# Altium PCB MB1605.PcbDoc (part 4 of 11) (continued)
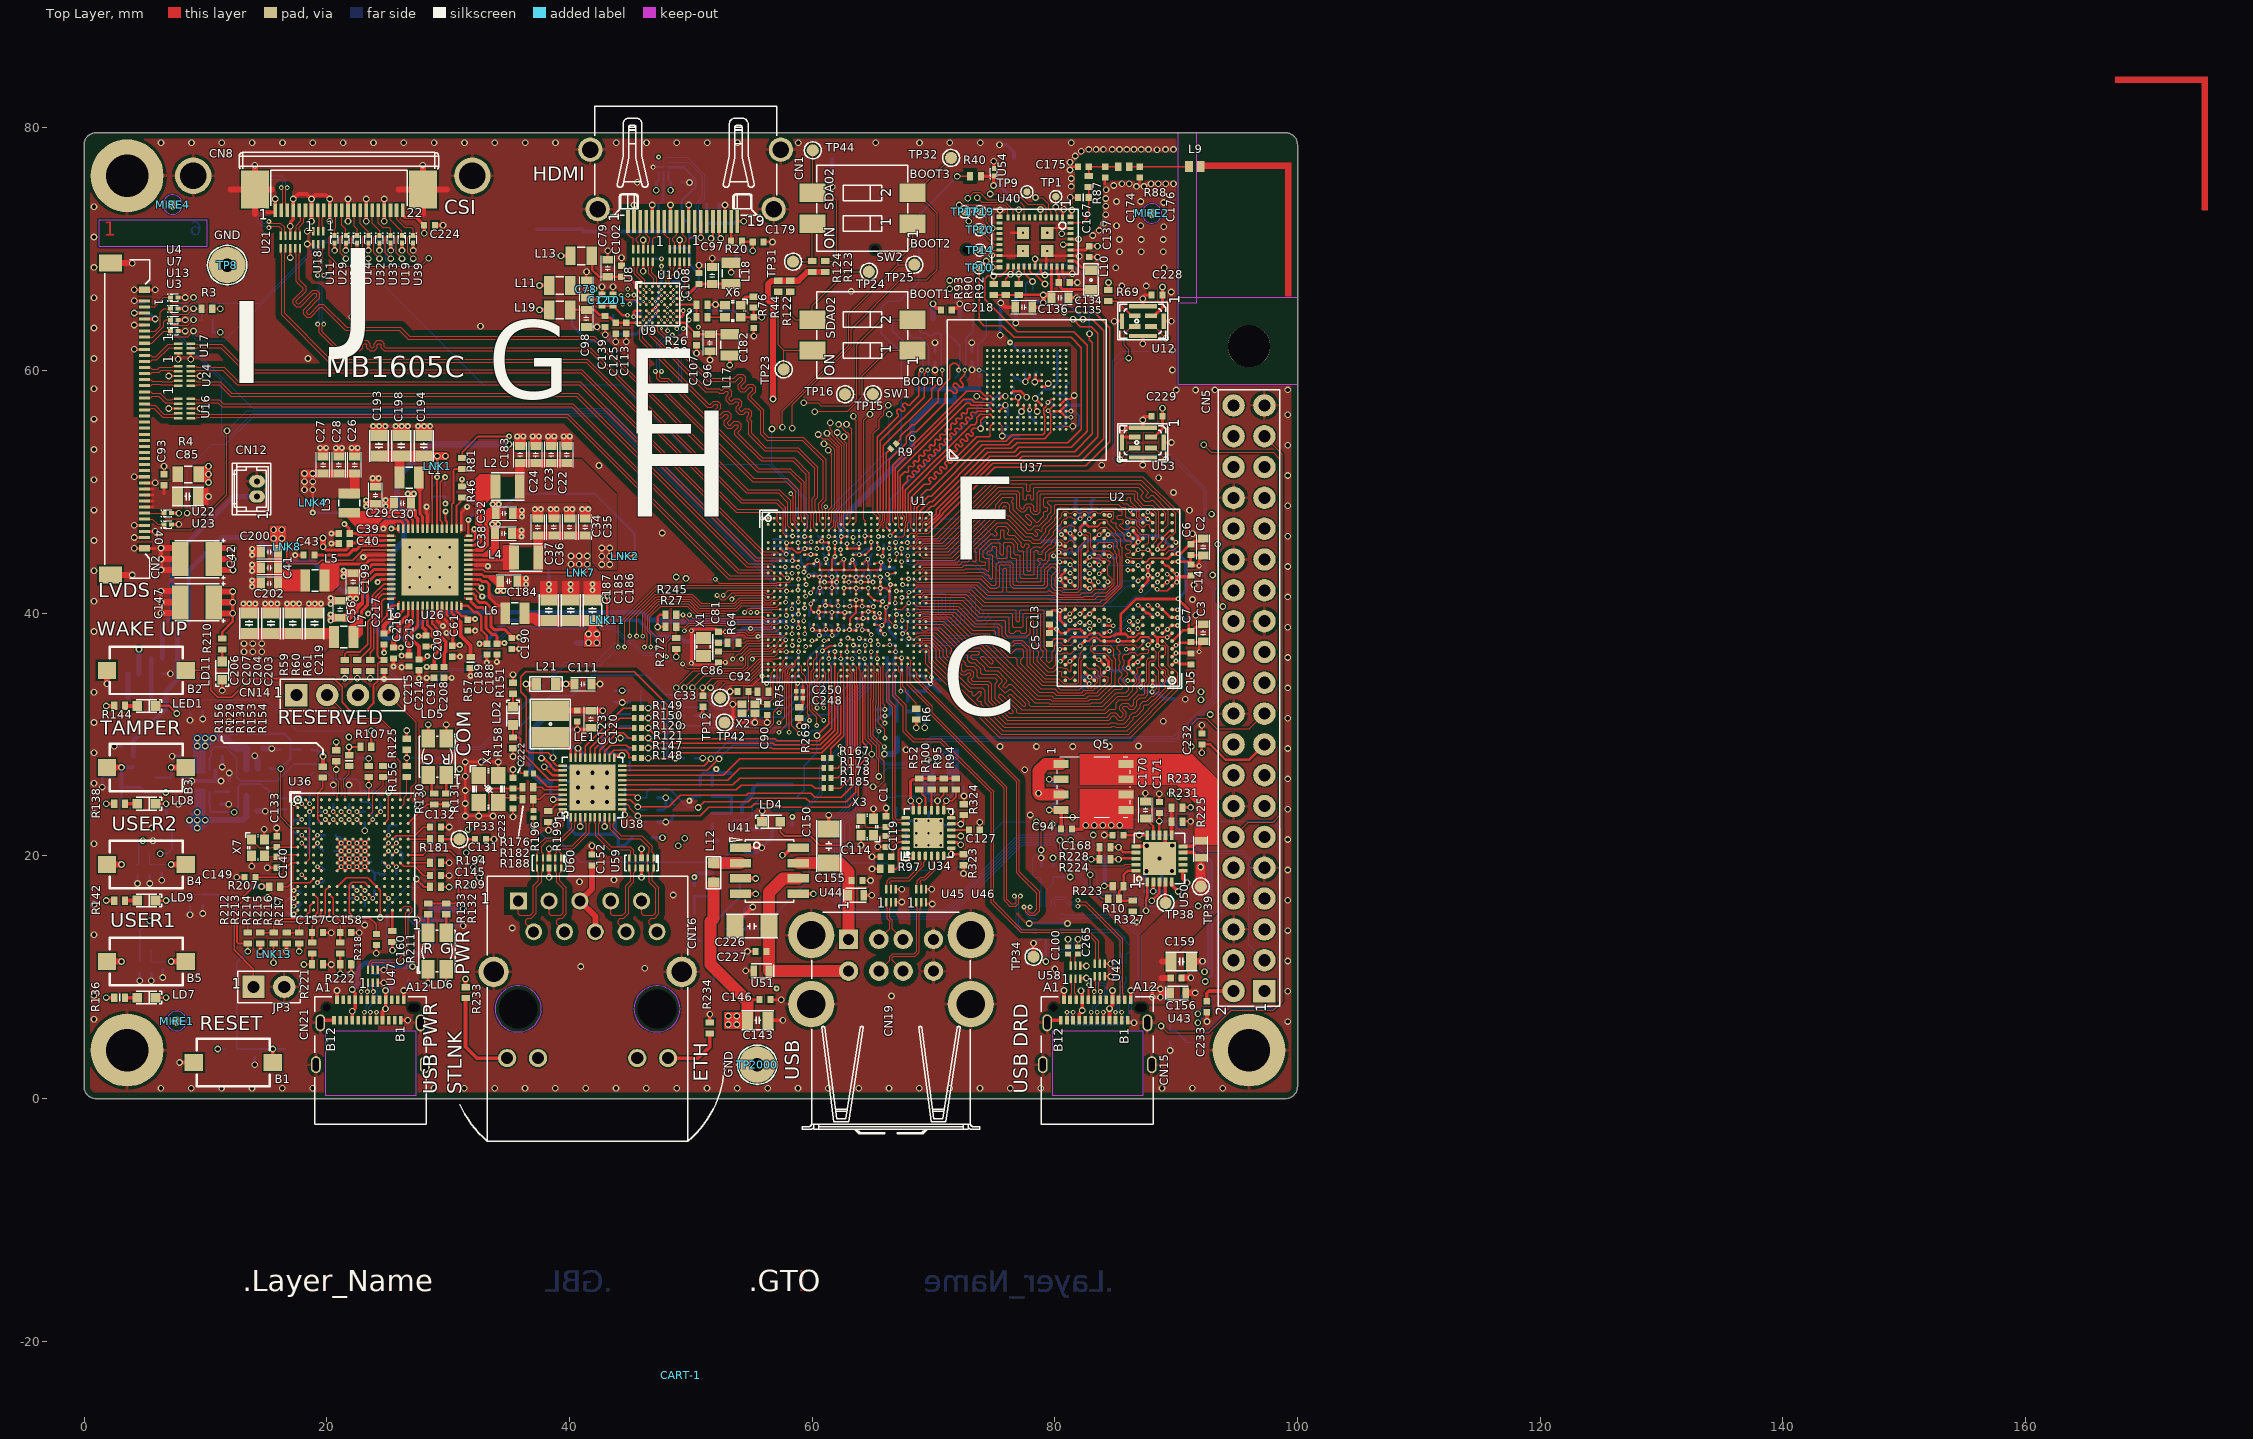
[diagram p0: Top Layer view]
## Nets (pads, with @x,y where several pads share a name; then routed paths per layer and width w, separated by ;. In a path a pad name is that pad's centre, name@x,y a point inside that pad or via, vN(x,y) a via of type N, cw(c..) or ccw(c..) an arc to the next point about the centre after c; other vN are vias at no path point) (continued)
  Signal Layer 2 w0.1: v1(23.43,69.226) 24.439,68.216 37.985,68.216 39.477,66.724 39.477,64.344 47.807,56.015 56.149,56.015 56.333,55.831 58.485,55.831 60.366,53.95 60.95,53.95 v1(60.975,53.975)
CAM.RST: CN8.17 U1.C12 U32.1 | length 60.5
  Top Layer w0.09: U1.C12@61.88,46.83 61.895,46.845 61.895,47.09 61.945,47.14 61.945,47.532 62.065,47.652 62.065,48.407 62.233,48.575
  Top Layer w0.1: CN8.17@23.75,73.222 23.75,72.135 24.35,71.535 U32.1@24.35,71.126 24.034,71.126 23.892,70.984 23.892,69.688 v1(24.355,69.226) ; v1(61.225,54.825) 61.225,54.759 62.25,53.734 62.25,48.594 62.233,48.577 62.233,48.575
  Signal Layer 2 w0.1: v1(24.355,69.226) 24.826,69.697 24.826,70.021 24.85,70.045 24.85,70.079 25.099,70.328 25.521,70.328 25.705,70.144 25.705,69.083 26.172,68.616 27.422,68.616 27.775,68.969 27.775,69.334 28.198,69.757 28.568,69.757 29.507,68.818 38.232,68.818 40.077,66.973 40.077,64.593 47.99,56.68 56.334,56.68 56.583,56.431 59.563,56.431 61.169,54.825 v1(61.225,54.825)
CAM.TOF_INT: CN8.12 U1.D8 U29.1 | length 57.7
  Top Layer w0.09: v3(59.375,46.325) U1.D8@59.875,46.325
  Top Layer w0.1: CN8.12@21.25,73.222 21.25,71.983 21.575,71.658 U29.1@21.575,71.126 21.259,71.126 21.117,70.984 21.117,69.688 v1(21.58,69.226)
  Signal Layer 2 w0.1: v1(21.58,69.226) 22.789,68.016 37.902,68.016 39.277,66.641 39.277,64.262 47.724,55.815 56.066,55.815 v1(56.69,55.191)
  Bottom Layer w0.1: v1(56.69,55.191) 56.69,52.273 59.575,49.388 59.575,48.575 59.575,46.75 59.41,46.585 59.41,46.36 v3(59.375,46.325)
CAM.TOF_LPn: CN8.11 U1.C11 U11.1 | length 61.6
  Top Layer w0.09: U1.C11@61.375,46.825 61.765,47.215 61.765,47.607 61.826,47.668 61.826,48.429 61.972,48.575
  Top Layer w0.1: CN8.11@20.75,73.222 20.75,71.758 20.65,71.658 U11.1@20.65,71.126 20.334,71.126 20.192,70.984 20.192,69.458 21.038,68.612 27.762,68.612 v1(28.4,69.25) ; v1(60.5,54.725) 60.825,54.4 61.301,54.4 62.05,53.651 62.05,48.677 62.045,48.672 62.045,48.648 61.972,48.575
  Signal Layer 2 w0.1: v1(28.4,69.25) 29.032,68.618 38.149,68.618 39.877,66.89 39.877,64.51 47.972,56.415 56.315,56.415 56.499,56.231 58.994,56.231 v1(60.5,54.725)
CEC: CN1.13 R63.1 U20.A2 | length 10.5
  Top Layer w0.25: v1(50.826,70.95) CN1.13@50.826,72.3
  Bottom Layer w0.2: U20.A2@48.164,76.769 49.388,76.769 50.389,75.768 50.389,75.113 49.239,73.964 49.239,72.686 49.889,72.036 R63.1@49.889,70.95 v1(50.826,70.95)
CEC_CLK: R26.2 R30.1 U9.D7 | length 2.7
  Top Layer w0.15: U9.D7@48.836,65.435 R26.2@50.476,65.435 R30.1@50.476,64.395
CSI.CK_N: U1.D4 U18.5 | length 56.6
  Top Layer w0.09: v2(19.25,63.824) 19.375,63.699 19.375,63.106 20.854,61.627 21.315,61.627 21.537,61.627 21.787,61.877 21.787,62.126 21.89,62.229 22.027,62.229 22.131,62.126 22.131,61.867 22.38,61.617 22.725,61.617 22.975,61.867 22.975,62.126 23.078,62.229 23.215,62.229 23.319,62.126 23.319,61.867 23.568,61.617 23.913,61.617 24.163,61.867 24.163,62.126 24.266,62.229 24.403,62.229 24.507,62.126 24.507,61.877 24.756,61.627 25.695,61.627 41.622,61.627 54.147,49.101 57.05,49.101 57.625,48.526 57.625,46.575 U1.D4@57.875,46.325 ; v2(19.25,67.841) 19.375,67.966 19.375,69.955 19.3,70.03 U18.5@19.3,70.425
  Bottom Layer w0.09: v2(19.25,63.824) 19.375,63.949 19.375,67.716 v2(19.25,67.841)
CSI.CK_P: U1.C4 U18.6 | length 55.9
  Top Layer w0.09: U18.6@19.7,70.425 19.7,70.03 19.625,69.955 19.625,67.966 v2(19.75,67.841) ; v2(19.75,63.824) 19.625,63.699 19.625,63.21 20.958,61.877 21.315,61.877 21.433,61.877 21.537,61.98 21.537,62.23 21.786,62.479 22.131,62.479 22.381,62.23 22.381,61.97 22.484,61.867 22.621,61.867 22.725,61.97 22.725,62.23 22.974,62.479 23.319,62.479 23.569,62.23 23.569,61.97 23.672,61.867 23.809,61.867 23.913,61.97 23.913,62.23 24.162,62.479 24.507,62.479 24.757,62.23 24.757,61.98 24.86,61.877 25.695,61.877 41.725,61.877 54.251,49.351 57.153,49.351 57.815,48.69 57.815,47.025 57.859,46.879 U1.C4@57.875,46.825
  Bottom Layer w0.09: v2(19.75,63.824) 19.625,63.949 19.625,67.716 v2(19.75,67.841)
CSI.CKcon_N: CN8.8 U18.2 | length 1.8
  Top Layer w0.09: CN8.8@19.25,73.222 19.25,72.677 19.375,72.552 19.375,71.945 19.3,71.87 U18.2@19.3,71.475
CSI.CKcon_P: CN8.9 U18.1 | length 1.8
  Top Layer w0.09: U18.1@19.7,71.475 19.7,71.87 19.625,71.945 19.625,72.552 19.75,72.677 CN8.9@19.75,73.222
CSI.D0_N: U1.A3 U21.7 | length 53.5
  Top Layer w0.09: U21.7@16.6,70.075 16.6,69.68 16.525,69.605 16.525,68.675 16.525,67.675 16.525,64.704 20.282,60.947 41.476,60.947 53.848,48.575 57.045,48.575 57.355,48.265 57.355,48.052 57.375,48.032 U1.A3@57.375,47.825
CSI.D0_P: U1.B3 U21.6 | length 54.1
  Top Layer w0.09: U21.6@16.2,70.075 16.2,69.68 16.275,69.605 16.275,64.6 20.178,60.697 41.372,60.697 53.744,48.325 56.941,48.325 57.105,48.161 57.105,47.949 57.125,47.929 57.125,47.575 57.373,47.327 U1.B3@57.375,47.327
CSI.D0con_N: CN8.2 U21.4 | length 10.5
  Top Layer w0.09: v3(15.23,72.283) 15.23,72.226 15.298,72.158 16.166,72.158 16.525,71.799 16.525,71.483 16.545,71.463 16.545,71.18 U21.4@16.6,71.125 ; CN8.2@16.25,73.222 16.355,73.327 16.355,73.76 16.375,73.78 16.375,74.922 16.25,75.047 v3(16.25,75.075)
  Bottom Layer w0.09: v3(15.23,72.283) 15.147,72.283 15.022,72.158 14.754,72.158 14.612,72.299 14.612,75.212 15.184,75.784 16.141,75.784 16.375,75.55 16.375,75.357 16.375,75.283 16.25,75.158 v3(16.25,75.075)
CSI.D0con_P: CN8.3 U21.5 | length 11.3
  Top Layer w0.09: v3(15.23,71.783) 15.23,71.84 15.298,71.908 16.062,71.908 16.275,71.695 16.275,71.483 16.255,71.463 16.255,71.18 U21.5@16.2,71.125 ; CN8.3@16.75,73.222 16.645,73.327 16.645,73.76 16.625,73.78 16.625,74.922 16.75,75.047 v3(16.75,75.075)
  Bottom Layer w0.09: v3(15.23,71.783) 15.147,71.783 15.022,71.908 14.65,71.908 14.362,72.196 14.362,75.316 15.08,76.034 16.245,76.034 16.625,75.654 16.625,75.461 16.625,75.283 16.75,75.158 v3(16.75,75.075)
CSI.D1_N: U1.C5 U21.9 | length 59.2
  Top Layer w0.09: U21.9@17.4,70.075 17.4,69.68 17.475,69.605 17.475,67.36 17.663,67.173 17.746,67.089 18.047,66.788 18.047,66.642 17.25,65.846 17.25,65.493 17.494,65.249 17.847,65.249 18.949,66.351 19.095,66.351 19.192,66.253 19.192,66.107 18.09,65.006 18.09,64.653 18.334,64.409 18.687,64.409 19.484,65.206 19.63,65.206 19.64,65.195 19.713,65.122 21.53,63.305 25.993,63.305 26.731,62.567 41.962,62.567 54.586,49.943 57.188,49.943 58.005,49.126 58.005,47.232 58.375,46.862 U1.C5@58.375,46.825
CSI.D1_P: U1.B5 U21.10 | length 58.6
  Top Layer w0.09: U21.10@17.8,70.075 17.8,69.68 17.725,69.605 17.725,67.464 17.839,67.35 17.923,67.266 18.297,66.892 18.297,66.539 17.5,65.742 17.5,65.596 17.598,65.499 17.744,65.499 18.845,66.601 19.198,66.601 19.442,66.357 19.442,66.004 18.34,64.902 18.34,64.756 18.438,64.659 18.584,64.659 19.38,65.456 19.733,65.456 19.807,65.382 19.89,65.299 21.634,63.555 26.097,63.555 26.835,62.817 42.065,62.817 54.689,50.193 57.291,50.193 58.225,49.259 58.225,47.478 58.375,47.328 U1.B5@58.375,47.325
CSI.D1con_N: CN8.5 U21.2 | length 2.3
  Top Layer w0.09: U21.2@17.4,71.125 17.4,71.52 17.475,71.595 17.475,71.929 17.875,72.329 17.875,72.552 17.75,72.677 CN8.5@17.75,73.222
CSI.D1con_P: CN8.6 U21.1 | length 2.3
  Top Layer w0.09: U21.1@17.8,71.125 17.8,71.52 17.725,71.595 17.725,71.825 18.125,72.225 18.125,72.552 18.25,72.677 CN8.6@18.25,73.222
CTP.INT: CN2.2 U1.J3 U4.1 | length 68
  Top Layer w0.1: CN2.2@5,65.25 5.81,65.25 6.585,66.025 U4.1@7.117,66.025 7.117,65.709 7.259,65.567 8.554,65.567 v1(9.017,66.03) v1@9.022,66.025 ; U1.J3@57.375,43.825 57.77,43.825 v3(57.782,43.813)
  Bottom Layer w0.1: v1(9.017,66.03) 9.487,65.559 9.487,64.9 9.225,64.638 7.916,64.638 7.712,64.434 7.712,63.065 13.885,56.893 43.153,56.893 55.625,44.421 56.233,43.813 v3(57.782,43.813)
CTP.RST: CN2.6 R3.2 U1.L7 U7.1 | length 75.7
  Top Layer w0.1: CN2.6@5,63.25 5.887,63.25 6.29,63.653 6.29,64.805 6.585,65.1 U7.1@7.117,65.1 7.117,64.784 7.259,64.642 8.554,64.642 v1(9.017,65.105) 9.022,65.1 R3.2@9.674,65.1 ; U1.L7@59.375,42.825 v3(59.505,42.369)
  Bottom Layer w0.1: v1(9.017,65.105) 8.572,65.55 8.113,65.55 7.5,64.937 7.5,62.995 11.35,59.145 11.35,54.8 11.575,54.575 12,54.575 13.918,56.493 42.987,56.493 55.528,43.952 55.551,43.952 55.625,43.878 57.134,42.369 v3(59.505,42.369)
DDC_SCL: CN1.15 R22.1 U9.D1 U20.A3 | length 27.1
  Top Layer w0.13: v2(44.259,66.212) 44.3,66.212 44.665,65.846 45.425,65.846 U9.D1@45.836,65.435
  Top Layer w0.15: v1(51.676,70.888) 51.676,70.996 51.826,71.146 CN1.15@51.826,72.3
  Signal Layer 2 w0.13: v2(44.259,66.212) 44.211,66.259 44.211,66.958 44.782,67.53 50.661,67.53 52.208,69.077 52.208,70.355 v1(51.676,70.888)
  Bottom Layer w0.1: U20.A3@48.164,77.169 49.816,77.169 50.953,76.032 50.953,74.233 50.453,73.733 50.453,71.74 50.817,71.375 51.185,71.375 v1@51.672,70.888 ; v1(51.676,70.888) 52.262,70.301 52.262,69.112 52.453,68.92 R22.1@52.876,68.92
DDC_SDA: CN1.16 R21.1 U9.D2 U20.B3 | length 27.1
  Top Layer w0.13: v5(46.086,65.685) U9.D2@46.336,65.435
  Top Layer w0.15: CN1.16@52.326,72.3 52.326,71.146 52.476,70.996 v1(52.476,70.888)
  Signal Layer 1 w0.13: v2(44.816,66.211) 44.816,66.206 45.169,65.853 45.918,65.853 v5(46.086,65.685)
  Signal Layer 2 w0.13: v2(44.816,66.211) 44.79,66.211 44.44,66.561 44.44,66.863 44.877,67.3 50.756,67.3 52.476,69.02 v1(52.476,70.888)
  Bottom Layer w0.1: U20.B3@47.764,77.169 47.764,77.375 47.965,77.576 49.692,77.576 51.153,76.115 51.153,74.15 50.653,73.65 50.653,71.822 50.9,71.575 51.788,71.575 v1(52.476,70.888) 52.876,70.488 R21.1@52.876,69.903
DDR_CA0_A: U1.V24 U2.H2 | length 24.7
  Top Layer w0.09: v3(67.46,38.325) 67.46,38.327 67.875,38.742 U1.V24@67.875,39.325 ; v2(88.46,38.69) 88.497,38.69 88.814,39.007 U2.H2@88.873,39.007
  Bottom Layer w0.09: v3@67.462,38.323 67.462,37.94 67.982,37.42 68.648,37.42 69.677,36.39 83.17,36.39 83.325,36.545 84.879,36.545 85.006,36.672 86.446,36.672 v2@88.46,38.686
DDR_CA0_B: U1.M24 U2.R2 | length 23.5
  Top Layer w0.09: v3(67.46,42.365) 67.5,42.325 U1.M24@67.875,42.325 ; v2@88.472,43.19 88.826,43.544 U2.R2@88.859,43.544
  Bottom Layer w0.09: v3(67.46,42.365) 73.699,42.365 74.313,41.751 79.357,41.751 79.79,41.319 80.495,41.319 80.653,41.16 81.745,41.16 82.03,40.875 84.58,40.875 85.972,42.267 87.537,42.267 v2(88.46,43.19)
DDR_CA1_A: U1.P22 U2.J2 | length 26
  Top Layer w0.09: v3(66.85,40.85) 66.85,41.3 U1.P22@66.875,41.325 ; v2(88.46,39.94) 88.518,39.881 88.689,39.881 88.86,39.71 U2.J2@88.86,39.665
  Bottom Layer w0.09: v3@66.85,40.875 v3(66.85,40.85) 66.85,40.485 66.62,40.255 66.62,39.727 67.337,39.01 67.739,39.01 67.953,38.796 69.42,38.796 70.556,37.66 83.929,37.66 84.37,38.101 84.617,38.101 85.571,39.055 85.571,39.254 86.262,39.945 v2@88.459,39.945
DDR_CA1_B: U1.N23 U2.P2 | length 24
  Top Layer w0.09: v3(66.95,41.825) U1.N23@67.375,41.825 ; v2(88.46,42.565) 88.483,42.565 88.833,42.915 U2.P2@88.86,42.915
  Bottom Layer w0.09: v3(66.95,41.825) 67.536,41.825 67.786,42.075 73.408,42.075 74.152,41.331 79.366,41.331 79.668,41.029 80.373,41.029 80.532,40.87 81.623,40.87 81.908,40.585 85.825,40.585 86.67,41.43 87.314,41.43 88.449,42.565 v2(88.46,42.565)
DDR_CA2_A: U1.V22 U2.H9 | length 20.3
  Top Layer w0.09: U1.V22@66.875,39.325 66.902,39.352 66.902,39.777 v3@66.95,39.825 ; v2@82.859,38.719 82.913,38.774 83.019,38.774 U2.H9@83.26,39.015
  Bottom Layer w0.09: v3(66.965,39.9) 67.357,40.292 68.229,40.292 68.646,39.874 70.103,39.874 70.925,39.051 72.052,39.051 72.238,39.237 72.238,40.022 72.338,40.122 72.5,40.122 72.594,40.029 72.594,39.286 72.829,39.051 74.199,39.051 74.857,39.71 79.632,39.71 80.852,38.49 82.287,38.49 82.51,38.713 v2@82.859,38.713
  other v2: 82.86,38.715
DDR_CA2_B: U1.J21 U2.R9 | length 19.8
  Top Layer w0.09: U1.J21@66.375,43.825 66.387,43.837 66.387,44.388 v3(66.4,44.4) ; v2(82.86,43.99) 82.86,43.977 83.26,43.577 U2.R9@83.26,43.565
  Bottom Layer w0.09: v3(66.4,44.4) 66.4,44.484 66.493,44.577 66.493,44.946 67.712,46.165 73.897,46.165 75.973,44.089 79.989,44.089 80.216,43.862 80.816,43.862 81.018,43.66 81.513,43.66 81.845,43.993 v2@82.857,43.993
DDR_CA3_A: U1.T22 U2.H10 | length 21.6
  Top Layer w0.09: U1.T22@66.875,40.325 67.433,40.325 v3(67.961,40.853) ; U2.H10@82.467,39.008 82.625,39.166 82.801,39.166 v2(82.86,39.225)
  Bottom Layer w0.09: v3(67.961,40.853) 68.252,40.854 68.942,40.164 70.014,40.164 70.103,40.253 70.103,40.98 70.194,41.071 70.355,41.071 70.442,40.983 70.442,39.944 71.045,39.341 71.815,39.341 71.948,39.474 71.948,40.143 72.218,40.412 72.62,40.412 72.884,40.149 72.884,39.711 73.254,39.341 74.012,39.341 74.67,40 79.752,40 80.972,38.78 82.088,38.78 82.533,39.225 v2(82.86,39.225)
DDR_CA3_B: U1.H22 U2.R10 | length 18.7
  Top Layer w0.09: U1.H22@66.875,44.325 66.9,44.35 66.9,44.496 66.975,44.571 66.975,44.918 v3(66.971,44.921) ; U2.R10@82.46,43.565 82.514,43.565 82.789,43.29 v2(82.86,43.29)
  Bottom Layer w0.09: v3(66.971,44.921) 67.47,44.921 67.634,45.085 73.747,45.085 75.627,43.205 79.487,43.205 80.254,42.439 80.959,42.439 81.117,42.28 81.558,42.28 82.568,43.29 v2(82.86,43.29)
DDR_CA4_A: U1.R23 U2.H11 | length 21.6
  Top Layer w0.09: U1.R23@67.375,40.825 67.388,40.838 67.388,41.287 v3(67.4,41.3) ; U2.H11@81.66,39.015 81.714,39.015 81.882,39.183 82.003,39.183 v2(82.06,39.24)
  Bottom Layer w0.09: v3@67.405,41.295 68.245,41.295 69.071,40.47 69.735,40.47 69.813,40.548 69.813,41.214 69.961,41.361 70.568,41.361 70.732,41.197 70.732,40.065 71.165,39.631 71.465,39.631 71.658,39.824 71.658,40.863 71.848,41.053 73.03,41.053 73.174,40.909 73.174,39.832 73.374,39.631 73.891,39.631 74.092,39.832 74.092,40.141 74.24,40.29 79.872,40.29 81.092,39.07 81.511,39.07 81.685,39.244 v2@82.056,39.244
DDR_CA4_B: U1.F22 U2.R11 | length 17.4
  Top Layer w0.09: U1.F22@66.875,45.325 v3(66.875,45.841) ; v2@81.26,43.99 81.66,43.59 U2.R11@81.66,43.565
  Bottom Layer w0.09: v3(66.875,45.841) 68.059,47.025 73.447,47.025 76.093,44.379 80.026,44.379 ; 80.043,44.384 80.248,44.589 80.664,44.589 v2@81.258,43.995
  other v2: 81.26,44.005
DDR_CA5_A: U1.P24 U2.J11 | length 21.1
  Top Layer w0.09: U1.P24@67.875,41.325 67.895,41.345 67.895,41.571 67.97,41.646 v3(67.97,41.73) ; v2@81.235,39.415 81.461,39.641 81.636,39.641 U2.J11@81.66,39.665
  Bottom Layer w0.09: v3(67.97,41.73) 69.015,41.73 69.154,41.591 69.154,40.893 69.256,40.791 69.443,40.791 69.523,40.872 69.523,41.513 69.661,41.651 70.872,41.651 71.022,41.501 71.022,40.185 71.124,40.083 71.256,40.083 71.368,40.195 71.368,41.332 71.512,41.476 73.31,41.476 73.464,41.322 73.464,40.013 73.555,39.921 73.711,39.921 73.802,40.012 73.802,40.356 74.026,40.58 80.558,40.58 80.76,40.378 80.76,39.905 v2(81.25,39.415)
DDR_CA5_B: U1.E23 U2.P11 | length 15.5
  Top Layer w0.09: U1.E23@67.375,45.825 67.377,45.823 67.852,45.823 v3(67.855,45.82) ; v2@81.268,43.3 81.652,42.915 U2.P11@81.66,42.915
  Bottom Layer w0.09: v3(67.855,45.82) 73.832,45.82 75.853,43.799 79.828,43.799 80.084,43.543 80.572,43.543 80.821,43.294 81.239,43.294 v2(81.26,43.315)
DDR_CKE0_A: U1.U21 U2.J4 | length 23.4
  Top Layer w0.09: U1.U21@66.375,39.825 66.375,39.4 v3@66.875,38.9 ; v2(86.835,39.325) 86.894,39.384 86.979,39.384 U2.J4@87.26,39.665
  Bottom Layer w0.09: v3(66.875,38.91) 67.114,38.671 67.602,38.671 67.813,38.46 68.938,38.46 70.028,37.37 81.462,37.37 81.862,36.97 82.228,36.97 82.628,37.37 84.049,37.37 84.328,37.649 84.575,37.649 85.921,38.995 86.514,38.995 v2@86.835,39.316
DDR_CKE0_B: U1.L23 U2.P4 | length 21.3
  Top Layer w0.09: U1.L23@67.375,42.825 v3(67.95,42.825) ; v2(86.86,42.665) 87.079,42.884 87.229,42.884 U2.P4@87.26,42.915
  Bottom Layer w0.09: v3(67.95,42.825) 73.854,42.825 74.554,42.125 79.394,42.125 79.91,41.609 80.615,41.609 80.773,41.45 82.019,41.45 82.304,41.165 84.14,41.165 85.633,42.659 v2@86.854,42.659
DDR_CLK_A_N: U1.T24 U2.J9 | length 22.6
  Top Layer w0.09: U1.T24@67.875,40.325 67.9,40.3 67.9,39.925 v3@67.925,39.9 ; U2.J9@83.26,39.665 83.3,39.625 83.428,39.625 v2@83.659,39.394
  Bottom Layer w0.09: v3@67.928,39.907 67.928,39.6 68.047,39.481 69.935,39.481 71.215,38.2 74.88,38.2 75.033,38.353 75.033,39.164 75.289,39.42 75.682,39.42 75.924,39.177 75.924,38.291 76.015,38.2 78.207,38.2 78.289,38.282 78.289,38.92 78.691,39.321 79.203,39.321 79.577,38.946 79.577,38.307 79.684,38.2 83.547,38.2 83.914,38.566 83.914,39.14 v2@83.659,39.395
  other v2: 83.66,39.39
  other v3: 67.925,39.91
DDR_CLK_A_P: U1.U23 U2.J8 | length 23.2
  Top Layer w0.09: U1.U23@67.375,39.825 67.4,39.8 67.4,39.425 v3@67.425,39.4 ; U2.J8@84.06,39.665 84.1,39.625 84.217,39.625 84.448,39.394 v2@84.459,39.394
  Bottom Layer w0.09: v3@67.426,39.409 67.765,39.409 67.944,39.231 69.831,39.231 71.112,37.95 74.983,37.95 75.283,38.25 75.283,39.06 75.392,39.17 75.578,39.17 75.674,39.074 75.674,38.187 75.912,37.95 78.311,37.95 78.539,38.179 78.539,38.816 78.794,39.071 79.099,39.071 79.327,38.843 79.327,38.203 79.58,37.95 83.651,37.95 84.164,38.463 84.164,39.101 v2@84.458,39.395
  other v2: 84.46,39.39
  other v3: 67.425,39.41
DDR_CLK_B_N: U1.H24 U2.P9 | length 19.2
  Top Layer w0.09: U1.H24@67.875,44.325 v3(67.875,44.74) v3@67.875,44.825 ; U2.P9@83.26,42.915 83.574,42.601 v2(83.574,42.59)
  Bottom Layer w0.09: v3@67.883,44.746 67.85,44.713 67.85,44.446 68.026,44.271 73.388,44.271 74.784,42.874 79.408,42.874 80.134,42.149 80.838,42.149 80.997,41.99 82.421,41.99 82.706,41.705 83.489,41.705 83.848,42.064 83.848,42.315 v2(83.574,42.59)
DDR_CLK_B_P: U1.J23 U2.P8 | length 19.7
  Top Layer w0.09: U1.J23@67.375,43.825 v3(67.375,44.24) ; U2.P8@84.06,42.915 84.06,42.909 v2@84.374,42.595
  Bottom Layer w0.09: v3(67.375,44.24) 67.421,44.286 67.657,44.286 67.923,44.021 73.284,44.021 74.68,42.624 79.304,42.624 80.03,41.899 80.735,41.899 80.893,41.74 82.318,41.74 82.603,41.455 83.592,41.455 84.098,41.96 84.098,42.319 v2@84.373,42.595
  other v2: 84.374,42.59
DDR_CS0_A: U1.Y24 U2.H4 | length 21.2
  Top Layer w0.09: U1.Y24@67.875,38.325 67.875,38.302 67.969,38.208 67.969,37.925 v3@67.972,37.922 ; v2(86.835,38.74) 86.893,38.799 87.002,38.799 87.217,39.015 U2.H4@87.26,39.015
  Bottom Layer w0.09: v3(67.97,37.92) 68.746,37.92 69.768,36.898 79.991,36.898 80.208,36.68 82.755,36.68 83.004,36.929 84.019,36.929 84.449,37.359 85.448,37.359 v2@86.834,38.745
DDR_CS0_B: U1.G23 U2.R4 | length 22
  Top Layer w0.09: U1.G23@67.375,44.825 v3(67.375,45.325) ; v2(86.86,43.94) 86.885,43.94 U2.R4@87.26,43.565
  Bottom Layer w0.09: v3(67.375,45.325) 67.425,45.375 73.867,45.375 75.733,43.509 79.607,43.509 79.933,43.184 80.502,43.184 80.715,42.97 81.79,42.97 82.455,43.635 84.251,43.635 84.556,43.94 v2(86.86,43.94)
DDR_DQ0_A: U1.AB26 U2.B2 | length 28.6
  Top Layer w0.09: U1.AB26@68.875,37.325 68.901,37.351 69.047,37.351 69.271,37.575 69.643,37.575 70.245,36.973 70.245,36.216 71.087,35.374 71.222,35.374 71.329,35.481 71.433,35.481 71.516,35.398 71.516,34.945 72.9,33.561 73.102,33.561 73.182,33.482 73.182,33.279 73.261,33.2 73.413,33.2 73.775,33.561 73.886,33.561 73.956,33.492 73.956,33.304 73.623,32.971 73.623,32.838 73.718,32.743 73.877,32.743 73.956,32.664 73.956,32.505 ; 73.956,32.505 75.841,30.62 84.663,30.62 84.748,30.705 84.917,30.705 85.001,30.62 85.834,30.62 86.48,31.266 86.48,31.447 86.554,31.521 86.735,31.521 87.343,32.129 87.343,32.392 87.415,32.464 87.678,32.464 88.095,32.881 88.187,32.881 89.159,33.853 89.159,33.975 89.016,34.117 89.016,34.218 89.159,34.361 89.159,34.609 88.878,34.89 88.878,35.075 U2.B2@88.859,35.094
DDR_DQ0_B: U1.F25 U2.AA2 | length 27.9
  Top Layer w0.09: U1.F25@68.375,45.325 68.389,45.339 68.535,45.339 68.771,45.575 68.979,45.575 68.983,45.579 68.992,45.579 69.182,45.769 70.734,45.769 75.355,50.39 77.311,50.39 77.399,50.301 77.399,49.414 77.47,49.344 77.625,49.344 77.696,49.415 77.696,49.699 77.751,49.754 77.943,49.754 77.996,49.701 77.996,49.416 78.069,49.344 78.198,49.344 78.269,49.414 78.269,50.298 78.361,50.39 86.882,50.39 87.285,49.987 87.285,49.888 87.106,49.71 87.106,49.524 87.419,49.21 87.854,49.21 87.957,49.313 88.065,49.313 89.154,48.224 89.154,47.723 88.875,47.444 U2.AA2@88.859,47.444
DDR_DQ1_A: U1.AC26 U2.C2 | length 28.7
  Top Layer w0.09: U1.AC26@68.877,36.829 68.897,36.829 69.143,37.075 69.479,37.075 69.665,36.889 69.665,35.976 75.601,30.04 86.074,30.04 89.813,33.779 89.813,34.215 89.945,34.347 89.945,34.585 89.761,34.769 89.567,34.769 89.364,34.972 89.364,35.306 88.905,35.765 U2.C2@88.86,35.765
DDR_DQ1_B: U1.E26 U2.Y2 | length 27.1
  Top Layer w0.09: U1.E26@68.877,45.829 68.9,45.852 68.996,45.852 69.103,45.959 70.514,45.959 75.235,50.68 77.637,50.68 77.689,50.627 77.689,50.097 77.742,50.044 77.926,50.044 77.979,50.097 77.979,50.614 78.045,50.68 87.002,50.68 87.695,49.987 87.695,49.889 87.518,49.712 87.518,49.577 87.596,49.5 87.734,49.5 87.96,49.726 88.062,49.726 89.364,48.424 89.364,47.29 88.868,46.794 U2.Y2@88.859,46.794
DDR_DQ2_A: U1.AB27 U2.E2 | length 28.9
  Top Layer w0.09: U1.AB27@69.375,37.325 69.571,37.325 69.955,36.941 69.955,36.096 75.721,30.33 85.954,30.33 89.564,33.94 89.564,34.158 89.349,34.373 89.349,34.687 89.154,34.882 89.154,35.237 88.991,35.4 88.786,35.4 88.564,35.622 88.564,36.769 U2.E2@88.86,37.065
DDR_DQ2_B: U1.F24 U2.V2 | length 29
  Top Layer w0.09: U1.F24@67.875,45.325 68.125,45.575 68.479,45.575 68.625,45.721 68.625,45.931 68.843,46.149 70.294,46.149 75.115,50.97 87.122,50.97 88.076,50.016 88.182,50.016 89.945,48.253 89.945,46.697 89.717,46.469 89.542,46.469 89.187,46.114 89.187,45.804 88.877,45.494 U2.V2@88.859,45.494
DDR_DQ3_A: U1.AC27 U2.F2 | length 30.5
  Top Layer w0.09: U1.AC27@69.375,36.825 69.375,35.856 75.481,29.75 86.194,29.75 90.135,33.691 90.135,35.043 89.738,35.44 89.582,35.44 89.364,35.658 89.364,37.233 88.882,37.715 U2.F2@88.86,37.715
DDR_DQ3_B: U1.E25 U2.U2 | length 29.8
  Top Layer w0.09: U1.E25@68.375,45.825 68.402,45.852 68.402,45.989 68.562,46.149 68.575,46.149 68.765,46.339 70.074,46.339 74.995,51.26 87.242,51.26 90.317,48.185 90.317,45.697 89.814,45.194 89.434,45.194 89.159,44.919 88.934,44.919 U2.U2@88.859,44.844
DDR_DQ4_A: U1.W25 U2.F4 | length 29.9
  Top Layer w0.09: U1.W25@68.377,38.829 68.623,39.075 70.717,39.075 72.632,37.16 73.793,37.16 74.916,36.037 74.916,35.923 74.835,35.842 74.699,35.842 74.088,36.454 73.97,36.454 73.882,36.366 73.882,36.249 74.58,35.551 75.401,35.551 78.342,32.61 79.496,32.61 79.557,32.55 82.962,32.55 83.022,32.61 83.838,32.61 84.956,33.728 85.488,33.728 85.578,33.818 85.578,33.949 85.251,34.276 85.251,34.598 85.548,34.895 85.548,35.03 85.309,35.269 85.309,35.744 85.409,35.844 85.409,35.988 85.309,36.088 85.309,36.579 85.409,36.679 85.409,36.791 85.129,37.071 85.129,37.261 85.267,37.399 86.546,37.399 86.783,37.162 86.93,37.162 87.255,37.487 U2.F4@87.255,37.71
DDR_DQ4_B: U1.J25 U2.U4 | length 28.2
  Top Layer w0.09: U1.J25@68.37,43.837 68.71,44.177 71.957,44.177 72.305,44.525 72.536,44.525 72.664,44.653 72.664,44.884 75.234,47.454 76.021,47.454 77.447,46.028 77.89,46.028 78.138,45.78 78.821,45.78 79.158,46.117 79.158,46.196 79.557,46.596 79.557,46.81 80.273,47.527 ; 80.274,47.527 80.274,47.693 80.564,47.982 80.564,48.222 80.742,48.4 80.978,48.4 81.135,48.243 81.385,48.243 81.542,48.4 81.778,48.4 81.946,48.233 82.174,48.233 82.342,48.4 82.578,48.4 82.713,48.266 83.007,48.266 83.142,48.4 83.378,48.4 83.524,48.254 83.796,48.254 83.942,48.4 84.767,48.4 84.86,48.307 84.86,47.879 84.656,47.674 84.656,47.525 84.737,47.445 85.004,47.445 85.076,47.373 85.076,47.105 85.724,46.457 85.724,46.142 85.897,45.969 86.184,45.969 86.281,45.871 86.281,45.761 86.197,45.677 85.962,45.677 85.854,45.569 85.854,45.362 85.968,45.247 86.183,45.247 86.258,45.172 86.258,45.067 86.121,44.929 85.936,44.929 85.854,44.847 85.854,44.724 85.948,44.63 86.237,44.63 86.339,44.528 87.147,44.528 87.261,44.641 U2.U4@87.26,44.865
DDR_DQ5_A: U1.W27 U2.E4 | length 29.1
  Top Layer w0.09: U1.W27@69.377,38.829 69.391,38.815 70.567,38.815 72.512,36.87 73.673,36.87 73.773,36.77 73.773,36.667 73.683,36.577 73.207,36.577 73.121,36.491 73.121,36.304 73.196,36.229 73.492,36.229 74.22,35.501 74.222,35.5 74.222,35.345 74.305,35.261 75.28,35.261 75.892,34.65 ; 75.892,34.65 76.055,34.488 76.055,34.351 75.765,34.061 75.765,33.956 75.864,33.857 75.972,33.857 76.263,34.148 76.394,34.148 77.891,32.651 77.891,32.428 77.999,32.32 83.959,32.32 85.076,33.438 85.83,33.438 86.109,33.718 86.109,33.842 85.654,34.297 85.654,34.591 86.003,34.94 86.003,35.041 85.599,35.445 85.599,35.624 85.722,35.747 85.722,36.085 85.599,36.208 85.599,36.457 85.759,36.617 86.055,36.617 86.218,36.78 86.544,36.78 86.791,36.533 86.893,36.533 87.065,36.705 87.645,36.705 87.728,36.787 87.728,36.944 87.646,37.025 87.3,37.025 U2.E4@87.26,37.065
DDR_DQ5_B: U1.H25 U2.V4 | length 27.7
  Top Layer w0.09: U1.H25@68.375,44.325 68.417,44.367 71.737,44.367 75.114,47.744 76.141,47.744 77.568,46.318 78.01,46.318 78.258,46.07 78.701,46.07 78.868,46.237 78.868,46.316 79.267,46.716 79.267,46.954 79.983,47.67 79.984,47.828 80.274,48.117 80.274,48.577 80.387,48.69 81.098,48.69 81.223,48.565 81.297,48.565 81.422,48.69 81.898,48.69 82.022,48.566 82.097,48.566 82.221,48.69 82.698,48.69 82.823,48.565 82.897,48.565 83.022,48.69 83.498,48.69 83.583,48.605 83.623,48.565 83.697,48.565 83.822,48.69 85,48.69 85.261,48.429 85.5,48.429 85.559,48.37 85.559,48.135 85.506,48.082 85.228,48.082 85.15,48.004 85.15,47.804 85.203,47.751 85.561,47.751 85.645,47.667 85.645,47.478 85.537,47.37 85.437,47.37 85.366,47.3 85.366,47.225 85.688,46.904 86.046,46.904 86.274,47.132 86.558,47.132 86.837,46.853 86.837,46.715 87.061,46.491 87.654,46.491 87.742,46.404 87.742,45.81 87.662,45.73 87.506,45.73 87.27,45.494 U2.V4@87.259,45.494
DDR_DQ6_A: U1.W26 U2.C4 | length 29.1
  Top Layer w0.09: U1.W26@68.875,38.825 69.125,38.575 69.479,38.575 69.529,38.625 70.347,38.625 72.392,36.58 72.738,36.58 72.831,36.487 72.831,36.141 73.032,35.939 73.372,35.939 73.897,35.415 73.897,35.054 73.979,34.971 75.16,34.971 75.652,34.479 75.652,34.359 75.366,34.072 75.366,33.945 75.863,33.448 75.973,33.448 76.271,33.746 76.386,33.746 77.601,32.531 77.601,32.389 77.532,32.319 77.402,32.319 76.38,33.341 76.276,33.341 76.18,33.245 76.18,33.13 77.28,32.03 84.079,32.03 85.196,33.148 85.952,33.148 86.441,33.637 86.44,33.638 86.44,34.042 86.745,34.347 86.745,34.446 86.747,34.448 86.747,34.581 86.605,34.723 86.605,34.857 86.836,35.088 86.836,35.254 86.745,35.345 86.745,35.452 86.835,35.542 87.037,35.542 U2.C4@87.26,35.765
DDR_DQ6_B: U1.G26 U2.Y4 | length 25.9
  Top Layer w0.09: U1.G26@68.877,44.829 69.133,44.573 71.533,44.573 74.994,48.034 75.629,48.034 75.7,48.106 75.7,48.718 75.828,48.846 75.923,48.846 75.989,48.779 75.989,48.104 76.059,48.034 76.261,48.034 77.687,46.608 77.972,46.608 78.131,46.608 78.378,46.36 78.502,46.36 78.596,46.455 78.596,46.553 78.391,46.759 78.391,46.862 78.466,46.938 78.634,46.938 78.807,46.765 78.906,46.765 78.977,46.836 78.977,47.074 79.694,47.792 79.694,47.948 79.984,48.238 79.984,48.899 80.065,48.98 85.224,48.98 85.485,48.719 85.811,48.719 85.864,48.666 85.864,47.944 85.932,47.876 86.13,47.876 86.247,47.759 86.577,47.759 86.754,47.582 86.754,47.248 87.208,46.794 U2.Y4@87.259,46.794